# Altium PCB rf_detector.PcbDoc (part 2 of 3) (continued)
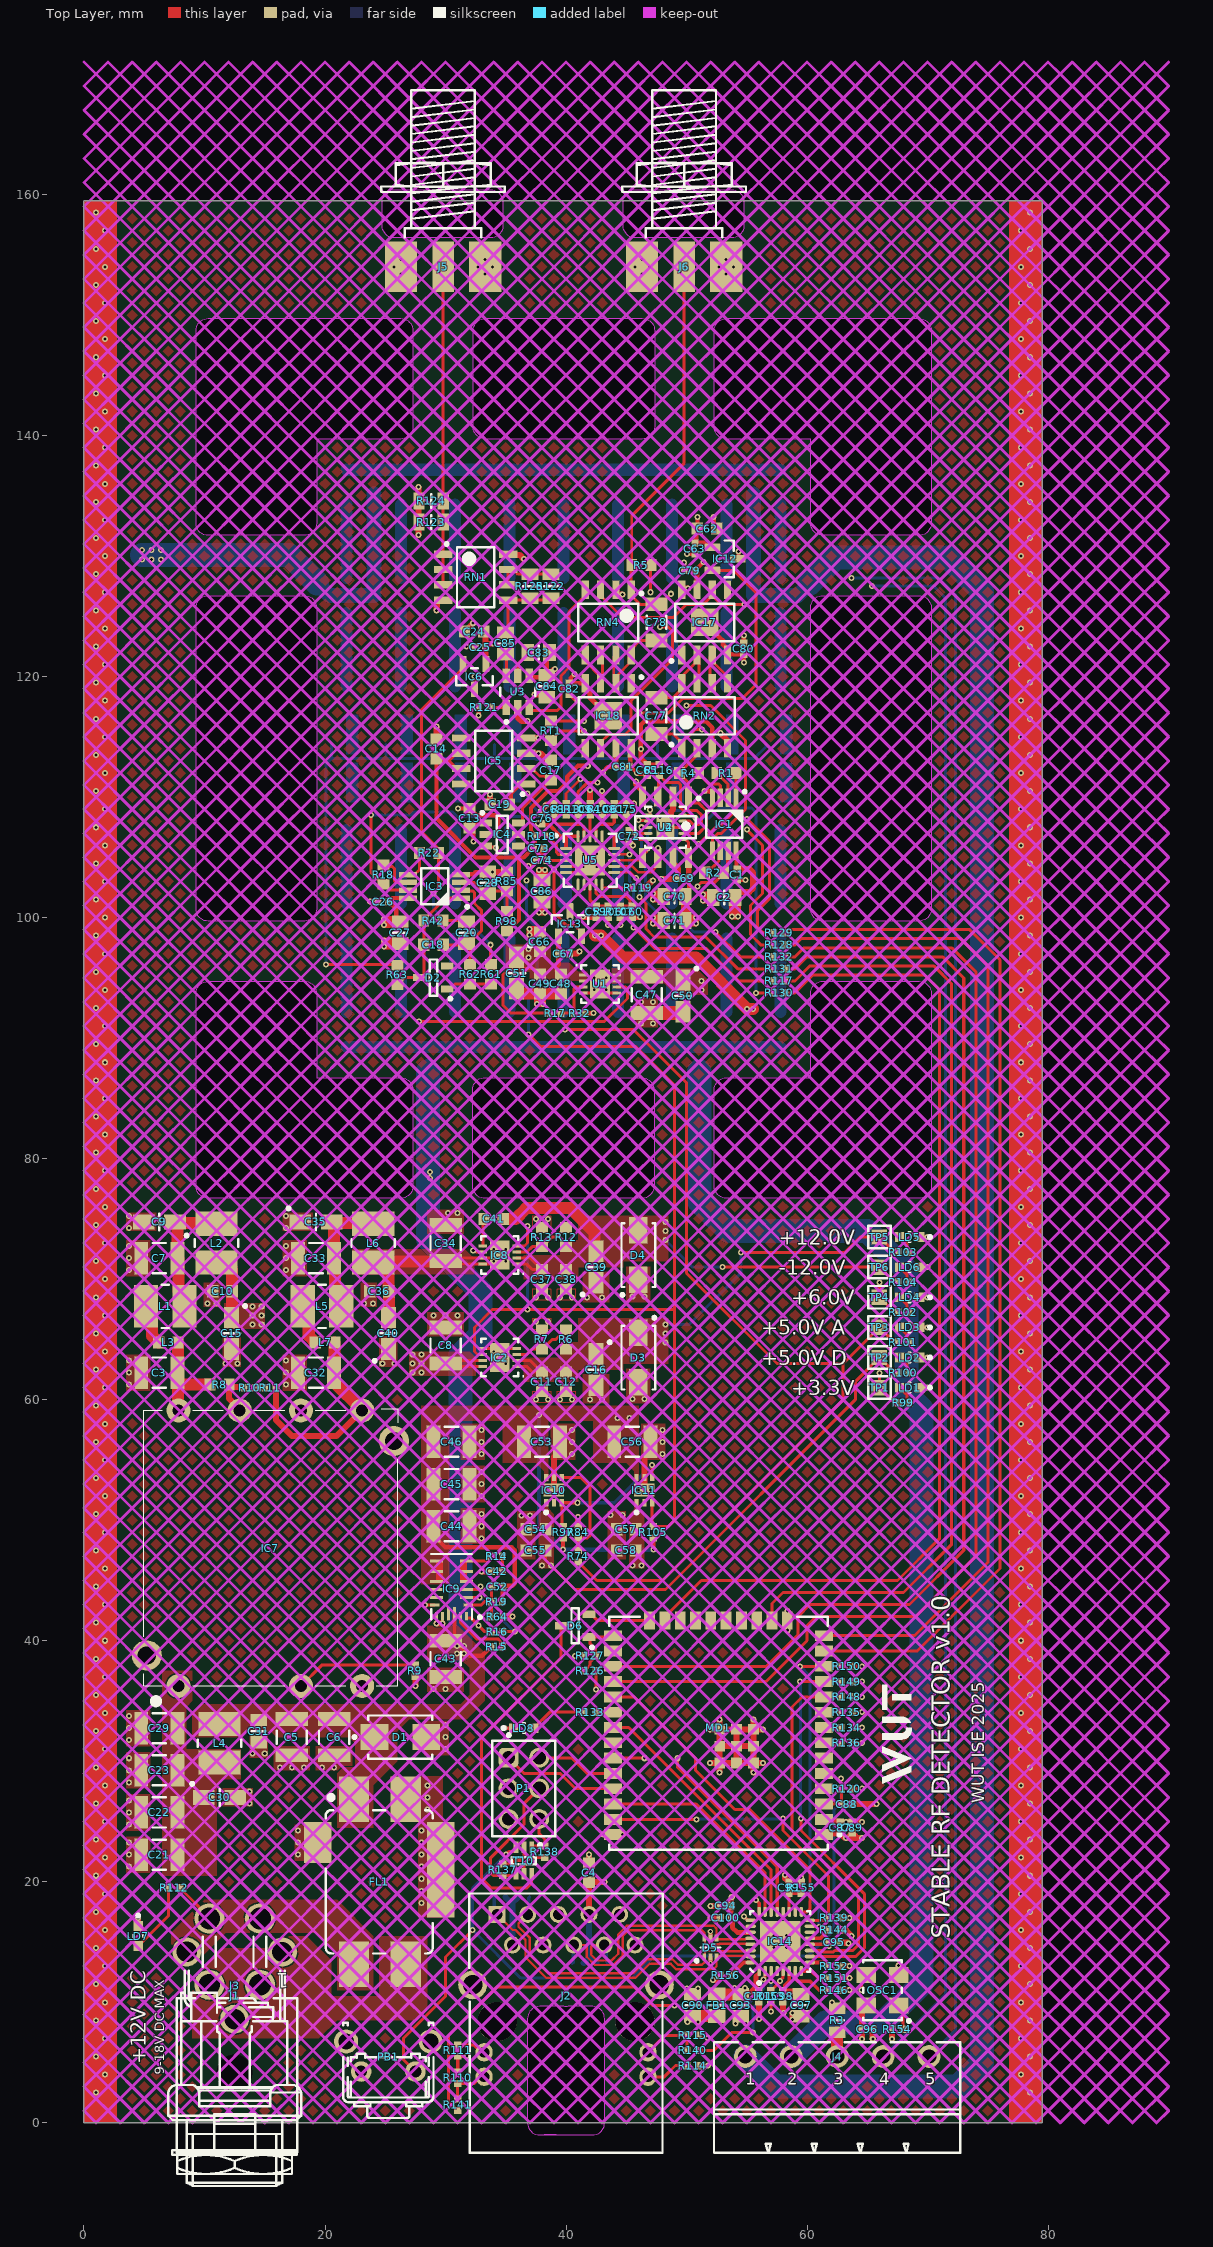
[diagram p0: Top Layer view]
## Nets (pads, with @x,y where several pads share a name; then routed paths per layer and width w, separated by ;. In a path a pad name is that pad's centre, name@x,y a point inside that pad or via, vN(x,y) a via of type N, cw(c..) or ccw(c..) an arc to the next point about the centre after c; other vN are vias at no path point) (continued)
  Top Layer w0.35: v1(31.025,109.05) C13.1@32,109.05 32.025,109.05 32.575,108.5 34.1,108.5 34.4,108.2 34.4,107.2 34.2,107 33.45,107 IC4.2@33.35,106.9 ; IC3.4@31.3,103.575 31.321,103.596 32.296,103.596 32.475,103.775 C28.1@33.306,103.775 ; C28.1@33.875,103.775 v1(33.9,103.8) ; C74.1@37.55,104.75 37.685,104.885 37.685,105.088 38.065,105.468 38.065,105.615 C73.1@38.2,105.75 ; v1(40.325,99.9) IC13.3@40.325,100.525 ; R32.1@41.62,92.075 v1(42.295,92.075) ; C81.1@45.2,112.5 45.4,112.5 v1(45.9,112) 45.941,112 46.006,111.935 46.615,111.935 C65.1@46.75,111.8 ; C81.1@45.335,112.635 45.335,113.98 IC18.8@45.405,114.05 ; C79.1@49.8,128.804 v1(49.8,129.479) ; v1(50.025,130.175) C63.1@50.7,130.175 ; v1(51.5,110.5) 51.508,110.492 51.889,110.492 IC1.4@51.95,110.431 ; C62.1@52.25,132.25 v1(52.25,133.225) ; C1.1@54.225,103.125 v1(54.9,103.125) ; IC12.3@54.25,129.775 54.3,129.825 v1(54.3,130.4) ; C80.1@54.75,122.754 v1(54.75,123.429)
  Top Layer w0.5: LD7.1@4.5,16.325 v1(4.5,17) ; v1(23.713,101.323) C26.1@24.388,101.323 ; C27.1@25.996,97.6 v1(24.9,97.6) v1(24.9,98.1) 25.996,98.1 C27.1@26.246,97.85 ; v1(27.5,36.23) R9.2@27.5,37.03 ; v1(27.75,131.75) v1(27.75,135.75) ; v1(29.25,41.45) v1(29.75,41.45) ; C14.1@29.25,114.8 v1(29.25,115.85) ; v1(29.25,125.5) 29.25,125.795 29.275,125.82 29.275,126.295 29.325,126.345 RN1.4@29.8,126.345 ; C24.1@31.575,123.725 v1@32.279,124.429 ; v1(33,45.75) C42.2@33.8,45.75 ; C28.1@33.306,103.775 C28.1@33.875,103.775 ; C19.1@33.7,109.25 v1(33.7,110.225) ; v1(33.9,103.8) R85.1@34.75,103.8 ; R64.1@34.75,42 v1(35.55,42) ; RN1.8@35.2,130.155 35.25,130.105 36.145,130.105 v1(36.5,129.75) ; C51.2@35.9,94.1 36.05,93.95 C48.1@39.75,93.95 ; C51.2@36,93.45 C49.1@37.575,93.45 ; U3.2@36,117.44 36,116.6 36.3,116.3 v1(36.8,116.3) ; IC5.3@36.703,113.632 v1@37.697,113.632 ; IC5.4@36.703,114.903 v1@37.697,114.903 ; v1(36.9,104.3) 37.1,104.3 C74.1@37.55,104.75 ; v1(37.4,118.5) 38.2,118.5 C84.1@38.4,118.3 ; C49.1@37.575,93.925 C49.1@37.575,93.45 ; v1(37.7,113.63) 37.895,113.63 38.725,112.8 C17.1@38.75,112.8 ; C86.1@37.75,101.525 v1(37.75,100.429) v1(38.25,100.429) C86.1@38.25,101.525 ; C76.1@38,108.7 38.06,108.76 38.06,109.06 v1(38.3,109.3) 38.39,109.39 38.94,109.39 C68.1@39,109.45 ; C66.1@38.05,98.55 v1(36.954,98.55) v1(36.954,99.05) C66.1@38.05,99.05 ; C49.1@38.075,93.925 C49.1@38.075,93.45 ; IC10.7@39,52.5 IC10.5@39,53.55 39,55.225 39.5,55.725 C53.1@39.5,56.5 ; C48.1@39.75,93.45 C49.1@38.075,93.45 ; C67.1@40.275,97 40.303,97.028 40.928,97.028 v1(41.1,97.2) ; R84.1@41,49.47 v1(41,50.27) ; v1(41.4,100.1) 41.45,100.05 C59.1@42.5,100.05 ; C4.1@41.905,21.55 v1(41.905,22.25) ; C64.1@42,109.45 v1(42,110.6) ; v1(43.1,23.91) MD1.38@43.9,23.91 v1(44.7,23.91) ; C61.1@44,109.45 C75.1@45,109.45 v1(45.625,109.45) ; RN4.2@44.135,127.2 44.185,127.15 44.185,126.8 v1(44.7,126.8) ; C72.1@45.25,107.2 45.31,107.14 45.58,107.14 45.62,107.1 v1(45.7,107.1) ; C60.1@45.5,100.05 v1(46.125,100.05) ; R119.2@46.47,102.5 46.47,102.52 46.51,102.56 46.66,102.56 v1(47.2,103.1) ; IC11.7@46.5,52.5 IC11.5@46.5,53.55 46.5,55.225 47,55.725 C56.1@47,56.5 ; v1(47.9,103.2) 49.25,103.2 C69.1@49.3,103.25 49.3,104.082 49.007,104.375 48.935,104.375 48.885,104.425 U2.7@48.885,104.95 ; U4.11@48.25,107.5 48.25,107.8 48.725,108.275 48.725,108.825 48.835,108.935 ; C71.1@48.325,99.5 v1(47.229,99.5) v1(47.229,100) C71.1@48.325,100 ; C70.1@48.325,101.5 v1(47.229,101.5) v1(47.229,102) C70.1@48.325,102 ; U2.2@48.835,110 U2.2@48.885,110.05 48.885,108.985 ; IC17.8@49.595,127.2 49.595,127.25 49.645,127.3 v1(50.1,127.3) ; v1(51.95,29.85) MD1.39@52.75,29.85 ; v1(51.95,32.65) MD1.39@52.75,32.65 ; v1(52,17) C100.1@52.8,17 ; v1(52,18) C94.1@52.8,18 ; v1(52.2,11.85) 52.4,11.85 52.78,12.23 R156.1@52.78,12.25 ; C2.1@52.45,101.425 v1(51.354,101.425) v1(51.354,101.925) C2.1@52.45,101.925 ; v1(52.75,29.05) MD1.39@52.75,29.85 ; v1(52.75,33.45) MD1.39@52.75,32.65 ; v1(52.8,115.3) 53.355,114.745 53.355,114.1 RN2.4@53.405,114.05 ; v1(55.55,29.05) MD1.39@55.55,29.85 ; v1(55.55,33.45) MD1.39@55.55,32.65 ; C101.1@56,10.05 56,8.65 v1(56.025,8.625) ; v1(56.35,29.85) MD1.39@55.55,29.85 ; v1(56.35,32.65) MD1.39@55.55,32.65 ; C98.1@58,10.05 58,9.15 v1(58.025,9.125) ; v1(58.175,20.575) 58.175,20.275 C99.1@58.5,19.95 ; v1(58.36,40.87) MD1.15@58.36,41.67 v1(58.36,42.47) ; v1(58.8,8.579) v1(58.8,9.11) ; MD1.1@61.4,23.91 61.48,23.99 62.69,23.99 C87.1@62.75,24.05 63.175,23.625 v1(63.24,23.625) v1(64.55,23.625) ; C95.1@62.7,15 62.76,14.94 63.36,14.94 v1(63.425,14.875) ; R146.2@62.72,11 v1(63.5,11) ; R151.2@62.72,12 v1(63.52,12) ; R144.2@62.72,16 62.72,15.98 62.76,15.94 63.26,15.94 v1(63.7,15.5) ; C89.1@63.475,23.775 C89.1@63.75,24.05 C89.1@64.025,23.775 ; C88.1@63.75,26.45 v1(65.775,26.45) ; v1(65.45,6.95) C96.1@65.45,7.75 ; OSC1.2@67.6,12.27 v1(67.6,13.07) ; C49.1@37.575,93.45 C49.1@38.075,93.45 ; C49.1@37.575,93.45 v1(37.575,92.829) v1(38.075,92.829) C49.1@38.075,93.45 ; MD1.39@52.75,29.85 MD1.39@54.15,29.85 ; MD1.39@52.75,29.85 MD1.39@52.75,31.25 ; MD1.39@52.75,31.25 MD1.39@54.15,31.25 ; MD1.39@52.75,31.25 MD1.39@52.75,32.65 ; MD1.39@52.75,32.65 MD1.39@54.15,32.65 ; MD1.39@54.15,29.85 MD1.39@54.15,31.25 ; MD1.39@54.15,29.85 MD1.39@55.55,29.85 ; MD1.39@54.15,31.25 MD1.39@54.15,32.65 ; MD1.39@54.15,31.25 MD1.39@55.55,31.25 ; MD1.39@54.15,32.65 MD1.39@55.55,32.65 ; MD1.39@55.55,29.85 MD1.39@55.55,31.25 ; MD1.39@55.55,31.25 MD1.39@55.55,32.65
  Top Layer w1.15: C47.1@46.7,92.1 49.65,92.1 49.7,92.15 C50.2@49.7,92.2
  Bottom Layer w1.25: 19.35,127.75 20.371,126.729 24.05,126.729 R95.1@24.05,135.15
  Bottom Layer w2: 4.8,130.1 17,130.1 19.35,127.75
  other v1: 1,2.5 78.5,2.5 1.75,4 77.75,4 1,5.5 78.5,5.5 1.75,7 77.75,7 54.069,8.225 54.95,8.225 1,8.5 78.5,8.5 62.052,9.975 62.933,9.975 1.75,10 77.75,10 50.051,11.125 50.932,11.125 1,11.5 78.5,11.5 1.75,13 77.75,13 1,14.5 78.5,14.5 57.275,14.55 58.275,14.55 57.275,15.55 58.275,15.55 1.75,16 77.75,16 1,17.5 78.5,17.5 28,18.25 1.75,19 77.75,19 28,19.25 28,20.25 1,20.5 78.5,20.5 3.75,21.25 28,21.25 1.75,22 77.75,22 3.75,22.25 17.75,22.25 28,22.25 3.75,23.25 17.75,23.25 28,23.25 1,23.5 78.5,23.5 17.75,24.25 28,24.25 3.75,24.75 1.75,25 77.75,25 3.75,25.75 28.5,26 1,26.5 13.75,26.5 78.5,26.5 3.75,26.75 28.5,27 13.75,27.5 1.75,28 28.5,28 77.75,28 3.75,28.25 3.75,29.25 1,29.5 16.25,29.5 17.25,29.5 18.25,29.5 19.75,29.5 20.75,29.5 78.5,29.5 3.75,30.25 14,30.625 15,30.625 1.75,31 30,31 77.75,31 3.75,31.75 30,32 1,32.5 78.5,32.5 3.75,32.75 30,33 3.75,33.75 1.75,34 77.75,34 1,35.5 78.5,35.5 29,36 30,36 1.75,37 77.75,37 1,38.5 78.5,38.5 1.75,40 77.75,40 1,41.5 78.5,41.5 1.75,43 77.75,43 1,44.5 78.5,44.5 1.75,46 77.75,46 1,47.5 78.5,47.5 33,48.5 1.75,49 77.75,49 33,49.5 36.3,50.4 37,50.4 43.7,50.45 44.7,50.45 1,50.5 33,50.5 78.5,50.5 1.75,52 33,52 77.75,52 38.5,52.5 39.5,52.5 46,52.5 47,52.5 33,53 1,53.5 78.5,53.5 33,54 1.75,55 77.75,55 33,55.5 40.5,55.5 48,55.5 1,56.5 33,56.5 40.5,56.5 48,56.5 78.5,56.5 33,57.5 40.5,57.5 48,57.5 1.75,58 77.75,58 1,59.5 78.5,59.5 37.5,60 38.5,60 39.5,60 40.5,60 42,60 43,60 45.5,60.05 46.5,60.05 1.75,61 77.75,61 3.75,61.25 16.75,61.25 3.75,62.25 16.75,62.25 1,62.5 78.5,62.5 11.75,63 12.75,63 24.75,63 25.75,63 3.75,63.25 16.75,63.25 1.75,64 77.75,64 1,65.5 78.5,65.5 37.5,66.5 38.5,66.5 1.75,67 29,67 30,67 31,67 77.75,67 10.25,68 11,68 23.25,68 24,68 1,68.5 37.5,68.5 38.5,68.5 39.5,68.5 40.5,68.5 41.75,68.5 43,68.5 78.5,68.5 45.5,68.55 46.5,68.55 1.75,70 77.75,70 3.75,70.75 16.75,70.75 1,71.5 78.5,71.5 3.75,71.75 16.75,71.75 3.75,72.75 16.75,72.75 1.75,73 77.75,73 3.75,74.25 16.75,74.25 1,74.5 78.5,74.5 37.5,75 38.5,75 3.75,75.25 16.75,75.25 30.2,75.5 31,75.5 1.75,76 77.75,76 1,77.5 78.5,77.5 1.75,79 77.75,79 1,80.5 78.5,80.5 1.75,82 77.75,82 1,83.5 78.5,83.5 1.75,85 77.75,85 1,86.5 78.5,86.5 1.75,88 77.75,88 1,89.5 78.5,89.5 1.75,91 77.75,91 46.2,91.2 47.2,91.2 1,92.5 78.5,92.5 46.2,93 47.2,93 1.75,94 77.75,94 1,95.5 78.5,95.5 1.75,97 77.75,97 1,98.5 78.5,98.5 1.75,100 77.75,100 1,101.5 78.5,101.5 1.75,103 77.75,103 1,104.5 78.5,104.5 1.75,106 77.75,106 1,107.5 78.5,107.5 47.8,108.3 48.7,108.3 1.75,109 77.75,109 1,110.5 78.5,110.5 1.75,112 77.75,112 1,113.5 78.5,113.5 1.75,115 77.75,115 1,116.5 78.5,116.5 1.75,118 77.75,118 1,119.5 78.5,119.5 1.75,121 77.75,121 1,122.5 78.5,122.5 1.75,124 77.75,124 32.282,124.429 1,125.5 78.5,125.5 1.75,127 77.75,127 1,128.5 78.5,128.5 4.8,129.7 5.6,129.7 6.4,129.7 1.75,130 77.75,130 4.8,130.5 5.6,130.5 6.4,130.5 1,131.5 78.5,131.5 1.75,133 77.75,133 1,134.5 78.5,134.5 1.75,136 77.75,136 1,137.5 78.5,137.5 1.75,139 77.75,139 1,140.5 78.5,140.5 1.75,142 77.75,142 1,143.5 78.5,143.5 1.75,145 77.75,145 1,146.5 78.5,146.5 1.75,148 77.75,148 1,149.5 78.5,149.5 1.75,151 77.75,151 1,152.5 78.5,152.5 26.307,153.4 33.292,153.4 46.307,153.4 53.292,153.4 1.75,154 25.707,154 26.907,154 32.692,154 33.892,154 45.708,154 46.907,154 52.693,154 53.892,154 77.75,154 26.307,154.6 33.292,154.6 46.307,154.6 53.292,154.6 1,155.5 78.5,155.5 1.75,157 77.75,157 1,158.5 78.5,158.5
  other v2: 34,63 35,63 42.325,94 42.325,95 43.325,95 42.55,104.2 41.45,105.3 42.55,105.3
  other v3: 51.989,13.212
GPIO0_RMII_REFCLK: D6.1 MD1.25 R126.1 R127.2 | length 5.5
  Top Layer w0.25: R126.1@41.53,37.5 41.53,37.52 42,37.99 42,38.26 42.47,38.73 R127.2@42.47,38.75 42.461,38.759 42.461,39.289 42.004,39.746 42.004,40.196 D6.1@41.9,40.3 43.78,40.3 MD1.25@43.9,40.42
GPIO2: D6.2 MD1.24 | length 5.2
  Top Layer w0.25: D6.2@41.9,42.2 42.1,42.2 42.63,41.67 MD1.24@46.93,41.67
HEATER_CONTROL: R63.2 T1.1 T2.1 T3.1 T4.1 T5.1 T6.1 T7.1 T8.1 T9.1 | length 69.2
  Top Layer w0.25: v1(20.1,96.1) 25.946,96.1 R63.2@25.996,96.05
  Bottom Layer w0.25: v1(20.1,96.1) 20.1,112.765 20.55,113.215 ; T9.1@20.575,114.365 20.55,114.34 20.55,113.215 ; T8.1@25.075,114.365 25.075,113.24 25.05,113.215 ; T7.1@29.575,114.365 29.575,113.24 29.55,113.215 ; T6.1@34.075,114.365 34.075,113.24 34.05,113.215 ; T5.1@38.575,114.365 38.575,113.24 38.55,113.215 ; T4.1@43.075,114.365 43.075,113.24 43.05,113.215 ; T3.1@47.575,114.365 47.575,113.24 47.55,113.215 ; T2.1@52.075,114.365 52.075,113.24 52.05,113.215 ; T1.1@56.575,114.365 56.575,114.165 55.625,113.215 52.05,113.215 ; 20.55,113.215 25.05,113.215 ; 25.05,113.215 29.55,113.215 ; 29.55,113.215 34.05,113.215 ; 34.05,113.215 37.405,113.215 37.492,113.128 37.947,113.128 38.034,113.215 38.55,113.215 ; 38.55,113.215 43.05,113.215 ; 43.05,113.215 47.55,113.215 ; 47.55,113.215 52.05,113.215
HT_EXT_PWR_NEG: J4.1 R96.1 | length 173.4
  Bottom Layer w1.25: R96.1@55.55,135.15 55.55,126.729 59.229,126.729 60.25,127.75
  Bottom Layer w2: J4.1@54.88,5.5 57.38,3 72.5,3 74.5,5 74.5,127.1 71.7,129.9 62.4,129.9 60.25,127.75
HT_EXT_PWR_POS: J4.2 R21.2 | length 103.4
  Bottom Layer w2: R21.2@51.05,87.25 51.05,76.45 53.5,74 65,74 68.25,70.75 68.25,60.5 69.5,59.25 69.5,11.5 66.327,8.327 61.517,8.327 J4.2@58.69,5.5
HT_EXT_SEN_1: J4.4 RT1.2 | length 170.2
  Top Layer w0.25: RT1.2@38.75,116.3 v1(41.5,116.3)
  Inner Layer 2 w0.25: v1(41.5,116.3) 45.399,120.199 45.399,129.699 47.7,132 56.8,132 58.7,130.1 62.8,130.1 v1(65.4,127.5)
  Bottom Layer w0.25: v1(65.4,127.5) 70.5,127.5 71.5,126.5 71.5,10.69 J4.4@66.31,5.5
HT_EXT_SEN_2: J4.5 RT1.1 | length 170.2
  Top Layer w0.25: RT1.1@38.75,114.7 38.775,114.7 39.125,115.05 39.125,115.075 39.55,115.5 v1(41.5,115.5)
  Inner Layer 2 w0.25: v1(41.5,115.5) 45.9,119.9 45.9,129.5 47.8,131.4 56.5,131.4 58.4,129.5 62.4,129.5 v1(63.7,128.2)
  Bottom Layer w0.25: v1(63.7,128.2) 70.9,128.2 72.3,126.8 72.3,7.68 J4.5@70.12,5.5
LED1: J2.L3 R115.2 R140.2 | length 5.1
  Top Layer w0.25: J2.L3@46.8,5.85 48.2,7.25 R115.2@50.03,7.25 R140.2@50.03,6
LED2: J2.L2 R110.2 R141.2 | length 3.7
  Top Layer w0.25: R141.2@31,1.97 R110.2@31,3.28 32.409,3.28 32.949,3.82 J2.L2@33.2,3.82
N12V0A: C37.2 C38.2 C39.2 C41.1 C80.2 C82.2 D4.2 IC8.1 IC8.2 IC17.4 IC17.9 IC18.4 IC18.9 R12.2 R104.2 TP6.1 | length 129.4
  Top Layer w0.25: IC8.1@35.9,71.25 36.75,71.25 37.2,70.8 C37.2@37.975,70.8 ; IC8.2@35.9,71.75 37.025,71.75 C37.2@37.975,70.8 ; C37.2@38,70.8 C37.2@37.975,70.8 ; v1(53,71) TP6.1@66,71 67.065,69.935 67.365,69.935 67.53,69.77 R104.2@67.53,69.75
  Top Layer w0.35: C82.2@40.25,119.45 40.385,119.585 40.385,119.885 v1(40.7,120.2) ; v1(54.75,121.179) C80.2@54.75,121.854
  Top Layer w0.4: C82.2@40.25,119.45 IC18.4@41.595,119.45 41.595,118.975 41.989,118.581 41.989,118.261 IC18.9@43.5,116.75 ; IC17.9@51.5,124.5 53.011,122.989 53.011,122.669 53.405,122.275 IC17.4@53.405,121.8 53.459,121.854 C80.2@54.75,121.854
  Top Layer w1: C41.1@34.8,75 35.8,75 36.7,75.9 40.35,75.9 42.375,73.875 42.375,72.425 C39.2@42.5,72.3
  Inner Layer 2 w1: v1(40.7,120.2) 39.8,119.3 39.8,111.451 41.851,109.4 43.6,109.4 44.527,110.327 47.327,110.327 49.3,112.3 56.5,112.3 ; v1(48.25,73.25) v1(48.25,74) v1(48.25,74.75) 48.25,95.85 49.9,97.5 53.75,97.5 56.5,100.25 56.5,112.3 ; v1(54.75,121.179) 56.5,119.429 56.5,112.3
  Bottom Layer w0.25: v1(48.25,73.25) 50.5,71 v1(53,71)
N13V0: C34.2 C36.2 C40.2 IC8.7 IC8.8 IC8.9 L6.2 | length 21.3
  Top Layer w0.25: C34.2@30,71.5 30.25,71.25 IC8.8@33.1,71.25 33.8,71.25 34.5,71.95 IC8.9@34.5,72 34.25,71.75 IC8.7@33.1,71.75 30.25,71.75 C34.2@30,71.5
  Top Layer w1: C40.2@25.25,66.8 25.3,66.85 C36.2@25.3,69 25.25,69.05 25.25,70.9 24.75,71.4 L6.2@24,71.4 24.05,71.45 29.95,71.45 C34.2@30,71.5
  other v2: 34,71.5 35,71.5 34,72.5 35,72.5
N13V0FIL: C33.2 C35.2 L5.2 L6.1 | length 10.9
  Top Layer w1: L5.2@21.35,67.75 21.35,68.5 20.825,69.025 20.825,71.675 C33.2@20.75,71.75 20.75,74.625 C35.2@20.7,74.675 ; L6.1@24,74.6 23.925,74.675 C35.2@20.7,74.675 ; C35.2@20.7,74.675 20.625,74.75 C35.2@20.55,74.75 20.625,74.675 C35.2@20.7,74.675
N13V0S: C32.2 IC7.4 L7.1 R11.1 | length 17.9
  Top Layer w0.5: R11.1@15.94,61 15.94,58.31 17.25,57 20.97,57 IC7.4@23.08,59.11
  Top Layer w1: L7.1@20.8,64.75 20.8,62.3 C32.2@20.75,62.25 20.75,61.475 23.08,59.145 IC7.4@23.08,59.11
NetC3_2: C3.2 IC7.7 L3.1 R8.1 | length 8.4
  Top Layer w1: C3.2@7.75,61.25 C3.2@7.795,61.25 ; C3.2@7.75,62.25 7.75,61.475 C3.2@7.795,61.43 ; C3.2@7.8,62.25 L3.1@7.8,64.75 ; C3.2@7.825,61.4 C3.2@7.795,61.43 ; IC7.7@7.84,59.11 7.795,59.155 C3.2@7.795,61.25 ; R8.1@10.45,61.25 C3.2@7.795,61.25 ; C3.2@7.795,61.25 C3.2@7.795,61.43
NetC17_2: C17.2 IC4.6 IC5.2 | length 7.2
  Top Layer w0.25: IC4.6@36.05,107.85 36.225,107.85 36.4,108.025 36.4,109.1 38.375,111.075 38.375,111.1 38.587,111.312 C17.2@38.613,111.312 ; IC5.2@36.7,112.365 37.175,112.365 37.79,111.75 38.2,111.75 38.375,111.575 38.375,111.55 C17.2@38.613,111.312 ; C17.2@38.75,111.45 C17.2@38.613,111.312
NetC18_1: C18.1 C20.1 IC3.2 R62.2 | length 10.1
  Top Layer w0.25: C18.1@29.796,97.75 31.646,97.75 C20.1@31.746,97.85 ; IC3.2@31.3,102.275 31.352,102.223 32.254,102.223 32.4,102.077 32.4,101.175 33,100.575 33,98.929 31.921,97.85 C20.1@31.746,97.85 ; R62.2@32.031,96.1 32.031,97.565 C20.1@31.746,97.85
NetC18_2: C18.2 D2.3 IC3.1 R42.2 R63.1 | length 11
  Top Layer w0.25: R63.1@25.996,94.45 26.046,94.45 26.623,95.027 D2.3@27.846,95.027 28.021,95.027 28.196,95.202 C18.2@28.196,97.75 R42.2@28.196,99.75 28.196,99.8 30.021,101.625 IC3.1@31.3,101.625
NetC19_2: C19.2 IC5.1 | length 2.7
  Top Layer w0.35: C19.2@35.3,109.25 35.405,109.355 35.405,110.275 36.225,111.095 IC5.1@36.7,111.095
NetC20_2: C20.2 R42.1 | length 2
  Top Layer w0.25: R42.1@29.796,99.75 31.646,99.75 C20.2@31.746,99.65
NetC28_2: C28.2 IC3.3 R85.2 R98.1 | length 5.8
  Top Layer w0.25: IC3.3@31.3,102.925 32.4,102.925 33.125,102.2 R85.2@35.1,102.2 35.1,100.6 R98.1@35.2,100.5
NetC41_2: C41.2 IC8.5 | length 2.3
  Top Layer w0.25: IC8.5@33.1,72.75 33.1,74.9 C41.2@33.2,75
NetC42_1: C42.1 R14.2 | length 1.3
  Top Layer w0.25: C42.1@34.7,45.75 34.71,45.76 34.71,46.99 R14.2@34.72,47
NetC52_1: C52.1 IC9.1 R19.1 R64.2 | length 4.5
  Top Layer w0.25: IC9.1@31.9,42.95 32.95,42.95 33.25,43.25 R19.1@33.78,43.25 ; R64.2@33.81,42 33.795,42.015 33.795,43.235 R19.1@33.78,43.25 ; C52.1@33.83,44.5 33.805,44.475 33.805,43.275 R19.1@33.78,43.25
NetC74_2: C74.2 U5.3 | length 1.5
  Top Layer w0.25: C74.2@38.45,104.75 U5.3@40,104.75
NetC77_1: C77.1 IC17.2 RN2.7 RN2.8 | length 8.2
  Top Layer w0.245: C77.1@47.5,118.25 48.87,118.25 49.595,118.975 RN2.8@49.595,119.45 49.772,119.627 49.772,120.172 50.688,121.087 50.688,121.622 IC17.2@50.865,121.8 51.042,121.622 51.042,119.627 RN2.7@50.865,119.45
NetC77_2: C77.2 IC17.6 RN2.1 RN4.3 | length 31.6
  Top Layer w0.245: RN2.1@49.595,114.05 49.595,114.525 50.67,115.6 v1(51.3,115.6)
  Top Layer w0.25: RN4.3@42.865,127.2 42.865,126.725 44.69,124.9 48.9,124.9 50,126 51.41,126 IC17.6@52.135,126.725 ; C77.2@47.5,115.25 48.87,115.25 RN2.1@49.595,114.525 ; IC17.6@52.135,127.2 IC17.6@52.135,126.725 ; v1(54.8,126) 52.86,126 IC17.6@52.135,126.725
  Inner Layer 2 w0.245: v1(51.3,115.6) 52.8,117.1 52.8,124 v1(54.8,126)
NetC78_1: C78.1 IC18.2 RN4.7 RN4.8 | length 8.2
  Top Layer w0.245: RN4.7@44.135,121.8 43.958,121.623 43.958,119.627 IC18.2@44.135,119.45 44.312,119.627 44.312,120.163 45.228,121.078 45.228,121.623 RN4.8@45.405,121.8 45.405,122.275 46.13,123 C78.1@47.5,123
NetC83_2: C83.2 U3.5 | length 2.3
  Top Layer w0.245: U3.5@36,120.06 36,121.038 36.36,121.398 36.373,121.398 36.825,121.85 C83.2@36.825,122
NetC85_1: C85.1 R122.2 R125.2 RN1.5 | length 6.4
  Top Layer w0.245: C85.1@34.975,123.65 35.2,123.875 RN1.5@35.2,126.345 38.595,126.345 R122.2@38.75,126.5
NetC85_2: C85.2 U3.6 | length 1.8
  Top Layer w0.245: C85.2@34.975,121.85 35.05,121.775 U3.6@35.05,120.06
NetD2_1: D2.1 R61.2 R62.1 | length 3.8
  Top Layer w0.25: D2.1@30.146,94.077 30.371,94.077 30.794,94.5 R62.1@32.031,94.5 R61.2@33.781,94.5
NetD6_3: D6.3 T10.6 | length 29.1
  Top Layer w0.25: T10.6@37.15,20.65 37.15,19.9 36.75,19.5 33.75,19.5 33,20.25 33,32 39.6,38.6 D6.3@39.6,41.25
NetFL1_1: FL1.1 J1.3 J1.4 J3.1 R112.1 | length 3.6
  Top Layer w0.25: R112.1@7.97,19.5 7.97,19.48 10.4,17.05 J1.4@10.4,16.95
NetFL1_3: FL1.3 J1.1 J1.2 J3.2 J3.3
NetIC1_2: IC1.2 R1.1 | length 2.5
  Top Layer w0.25: R1.1@52.5,112 52.5,111.95 52.825,111.625 52.875,111.625 53.45,111.05 IC1.2@53.45,109.95
NetIC1_3: IC1.3 R4.2 | length 3.1
  Top Layer w0.25: R4.2@51.1,111.85 51.85,111.1 52.65,111.1 52.8,110.95 IC1.3@52.8,109.95
NetIC1_5: IC1.5 R5.2 | length 29.5
  Top Layer w0.245: v1(47,127) 47,129.2 R5.2@47.05,129.25 ; v1(50,117.6) 52,117.6 54.9,114.7 54.9,109 52.9,107 52.6,107 52.15,106.55 IC1.5@52.15,105.55
  Inner Layer 2 w0.245: v1(47,127) 47,120.6 v1(50,117.6)
NetIC1_6: IC1.6 R2.1 | length 2.5
  Top Layer w0.25: R2.1@51.475,103.725 51.475,103.775 51.8,104.1 52.1,104.1 52.7,104.7 52.7,105.45 IC1.6@52.8,105.55
NetIC2_3: IC2.3 R6.1 R7.2 | length 4.9
  Top Layer w0.25: IC2.3@35.9,63.75 36.75,63.75 37.2,64.2 R7.2@38,64.2 38.05,64.2 38.85,65 39.15,65 39.95,65.8 R6.1@40,65.8
NetIC3_5: IC3.5 R22.2 | length 2.5
  Top Layer w0.25: IC3.5@26.9,103.575 27.425,103.575 27.835,103.985 R22.2@27.835,105.373
NetIC3_6: IC3.6 R18.1 | length 3.2
  Top Layer w0.25: R18.1@24.85,104.373 24.977,104.246 25.579,104.246 25.754,104.071 25.754,103.071 25.9,102.925 IC3.6@26.9,102.925
NetIC4_4: IC4.4
NetIC4_5: IC4.5
NetIC7_2: IC7.2 R9.1 | length 10.2
  Top Layer w0.25: IC7.2@18,36.25 19.72,37.97 R9.1@27.5,37.97
NetIC7_6: IC7.6 R8.2 R10.2 | length 3.8
  Top Layer w0.5: IC7.6@12.92,59.11 12.92,59.226 12.05,60.096 R8.2@12.05,61.25 12.24,61.06 13.24,61.06 13.28,61.02 R10.2@13.28,61
NetIC8_3: IC8.3 R12.1 R13.2 | length 4.9
  Top Layer w0.25: IC8.3@35.9,72.25 36.75,72.25 37.2,72.7 R13.2@38,72.7 38.05,72.7 38.85,73.5 39.15,73.5 39.95,74.3 R12.1@40,74.3
NetIC9_2: IC9.2 R16.1 | length 6.2
  Top Layer w0.25: IC9.2@31.75,43.6 v1(32.8,43.6) ; R16.1@34.75,40.75 v1(35.75,40.75)
  Bottom Layer w0.25: v1(32.8,43.6) 32.85,43.6 35.7,40.75 v1(35.75,40.75)
NetIC9_4: IC9.4 IC9.5 IC9.6 R14.1 | length 2.2
  Top Layer w0.25: IC9.6@31.75,46.6 33.4,46.6 33.78,46.98 R14.1@33.78,47
NetIC9_11: IC9.11
NetIC9_17: IC9.17 R15.1 | length 5
  Top Layer w0.25: IC9.17@31.25,42.05 31.25,41.5 32.625,40.125 34.375,40.125 34.555,39.945 34.555,39.665 R15.1@34.72,39.5
NetIC10_2: IC10.2
NetIC10_4: IC10.4 R74.2 R84.2 | length 8.8
  Top Layer w0.25: IC10.4@39.65,53.55 41.2,53.55 42,52.75 42,48.75 41.78,48.53 R84.2@41,48.53 R74.2@41,47.47
NetIC11_2: IC11.2
NetIC14_2: IC14.2 R141.1 | length 37.1
  Top Layer w0.25: R141.1@31,1.03 30.98,1.03 30.25,1.76 30.25,7.25 34.25,11.25 45.693,11.25 47.193,9.75 v1(49,9.75) ; v1(56.383,11.883) 56.515,12.015 56.515,12.59 IC14.2@56.525,12.6
  Bottom Layer w0.25: v1(49,9.75) 55,9.75 56.383,11.133 v1(56.383,11.883)
NetIC14_3: IC14.3 R140.1 | length 10.9
  Top Layer w0.25: R140.1@50.97,6 52.25,6 53.75,7.5 v1(55.5,7.5) ; v1(57,11.75) 57.015,11.765 57.015,12.59 IC14.3@57.025,12.6
  Bottom Layer w0.25: v1(55.5,7.5) 55.5,9.04 55.498,9.042 55.498,9.498 57,11 v1(57,11.75)
NetIC14_4: IC14.4
NetIC14_7: IC14.7 R146.1 | length 3.8
  Top Layer w0.3: IC14.7@59.025,12.6 59.025,11.975 59.25,11.75 60.25,11.75 61,11 R146.1@61.78,11
NetIC14_8: IC14.8 R151.1 | length 2.5
  Top Layer w0.3: IC14.8@59.525,12.6 60.363,12.6 60.963,12 R151.1@61.78,12
NetIC14_9: IC14.9 R152.1 | length 1.7
  Top Layer w0.3: IC14.9@60.225,13.3 61.5,13.3 61.78,13.02 R152.1@61.78,13
NetIC14_13: IC14.13 R144.1 | length 1.9
  Top Layer w0.3: IC14.13@60.225,15.3 61.088,15.3 61.628,15.84 61.64,15.84 61.78,15.98 R144.1@61.78,16
NetIC14_14: IC14.14
NetIC14_18: IC14.18
NetIC14_20: IC14.20
NetIC14_26: IC14.26
NetIC14_32: IC14.32 R156.2 | length 2.1
  Top Layer w0.3: R156.2@53.72,12.25 53.72,12.27 54.75,13.3 IC14.32@55.325,13.3
NetIC17_3: IC17.3 RN2.5 RN2.6 | length 5.4
  Top Layer w0.245: RN2.6@52.135,119.45 51.958,119.627 51.958,121.622 IC17.3@52.135,121.8 52.312,121.622 52.312,121.087 53.228,120.172 53.228,119.627 RN2.5@53.405,119.45
NetIC18_3: IC18.3 RN4.5 RN4.6 | length 5.4
  Top Layer w0.245: RN4.5@41.595,121.8 41.772,121.623 41.772,121.078 42.688,120.163 42.688,119.627 IC18.3@42.865,119.45 43.042,119.627 43.042,121.623 RN4.6@42.865,121.8
NetJ2_1: J2.1
NetJ2_2: J2.2
NetJ2_6: J2.6
NetJ2_7: J2.7
NetJ2_L1: J2.L1 R111.2 | length 2.5
  Top Layer w0.25: R111.2@31,6.47 32.329,6.47 32.949,5.85 J2.L1@33.2,5.85
NetJ2_L4: J2.L4 R114.2 | length 3.6
  Top Layer w0.25: J2.L4@46.8,3.82 48.15,3.82 49.08,4.75 R114.2@50.03,4.75
NetJ4_3: J4.3 R3.2 | length 2
  Top Layer w1: J4.3@62.5,5.5 R3.2@62.5,7.5
NetL1_1: L1.1 L3.2 | length 3.4
  Top Layer w1: L1.1@5.15,67.75 5.65,67.25 5.65,65.3 L3.2@6.2,64.75
NetL5_1: L5.1 L7.2 | length 3.4
  Top Layer w1: L5.1@18.15,67.75 18.65,67.25 18.65,65.3 L7.2@19.2,64.75
NetLD1_2: LD1.2 R99.2 | length 1.6
  Top Layer w0.25: LD1.2@67.675,61 68.305,60.37 68.305,59.915 R99.2@68.47,59.75
NetLD2_2: LD2.2 R100.2 | length 1.6
  Top Layer w0.25: LD2.2@67.675,63.5 68.305,62.87 68.305,62.415 R100.2@68.47,62.25
NetLD3_2: LD3.2 R101.2 | length 1.6
  Top Layer w0.25: LD3.2@67.675,66 68.305,65.37 68.305,64.915 R101.2@68.47,64.75
NetLD4_2: LD4.2 R102.2 | length 1.6
  Top Layer w0.25: LD4.2@67.675,68.5 68.305,67.87 68.305,67.415 R102.2@68.47,67.25
NetLD5_2: LD5.2 R103.1 | length 1.6
  Top Layer w0.25: LD5.2@67.675,73.5 68.305,72.87 68.305,72.415 R103.1@68.47,72.25
NetLD6_1: LD6.1 R104.1 | length 1.6
  Top Layer w0.25: LD6.1@67.675,71 68.305,70.37 68.305,69.915 R104.1@68.47,69.75
NetLD7_2: LD7.2 R112.2 | length 5.9
  Top Layer w0.25: LD7.2@4.5,14.675 7.03,17.205 R112.2@7.03,19.5
NetLD8_2: LD8.2 R133.2 | length 4.8
  Top Layer w0.25: LD8.2@37.325,32.75 38.645,34.07 R133.2@41.53,34.07
NetMD1_4: MD1.4
NetMD1_5: MD1.5
NetMD1_6: MD1.6
NetMD1_7: MD1.7 R136.2 | length 1.4
  Top Layer w0.25: MD1.7@61.4,31.53 R136.2@62.83,31.53
NetMD1_13: MD1.13 R129.2 | length 86.9
  Top Layer w0.25: R129.2@58.15,98.75 58.15,98.77 58.315,98.935 58.335,98.935 58.4,99 73.5,99 76,96.5 76,46 69.15,39.15 MD1.13@61.4,39.15
NetMD1_14: MD1.14 R128.2 | length 83.6
  Top Layer w0.25: R128.2@58.15,97.75 59,97.75 59.5,98.25 72.75,98.25 75,96 75,46.5 68.92,40.42 MD1.14@61.4,40.42
NetMD1_17: MD1.17
NetMD1_18: MD1.18
NetMD1_19: MD1.19
NetMD1_20: MD1.20
NetMD1_21: MD1.21
NetMD1_22: MD1.22
NetMD1_23: MD1.23 R130.2 | length 85.3
  Top Layer w0.25: MD1.23@48.2,41.67 48.2,41.97 51.23,45 67.5,45 71,48.5 71,94 69.75,95.25 60.5,95.25 59,93.75 R130.2@58.15,93.75
NetMD1_26: MD1.26
NetMD1_27: MD1.27 R131.2 | length 97.5
  Top Layer w0.25: MD1.27@43.9,37.88 56.63,37.88 59.25,40.5 59.25,42 60.25,43 68.5,43 73,47.5 73,95 71.25,96.75 60,96.75 59,95.75 R131.2@58.15,95.75
NetMD1_28: MD1.28 R132.2 | length 100.6
  Top Layer w0.25: MD1.28@43.9,36.61 56.61,36.61 60,40 60,41.25 60.75,42 69,42 74,47 74,95.5 72,97.5 59.75,97.5 59,96.75 R132.2@58.15,96.75
NetMD1_30: MD1.30 R133.1 | length 1.4
  Top Layer w0.25: R133.1@42.47,34.07 MD1.30@43.9,34.07
NetMD1_32: MD1.32
NetOSC1_1: OSC1.1 R154.1 | length 2.1
  Top Layer w0.25: OSC1.1@67.6,9.73 67.97,9.36 R154.1@67.97,7.75
NetOSC1_3: OSC1.3 R153.1 | length 12
  Top Layer w0.25: v1(57,9.25) R153.1@57,10.03 ; v1(64.5,11) 64.5,11.87 OSC1.3@64.9,12.27
  Inner Layer 2 w0.25: v1(57,9.25) 58.394,7.856 62.106,7.856 64.452,10.202 64.452,10.952 v1(64.5,11)
NetR10_1: R10.1 R11.2 | length 0.8
  Top Layer w0.5: R10.1@14.22,61 R11.2@15,61
NetR17_1: R17.1 R32.2 U1.3 | length 3.9
  Top Layer w0.25: R17.1@39.59,92.075 R32.2@40.68,92.075 40.68,94.104 40.826,94.25 U1.3@41.425,94.25